# Altium PCB FlatSat Half1.PcbDoc (part 9 of 9)
Units mil, origin at the board's own origin, x right, y up, seen from the top; angles counter-clockwise.
Board outline 4682 x 10392 mil, 4 copper layers (Top Layer, STR GND 1, STR GND 2, Bottom Layer), stack 33.434 mil thick; 231 components, 255 nets, 990 pads, 1106 vias.
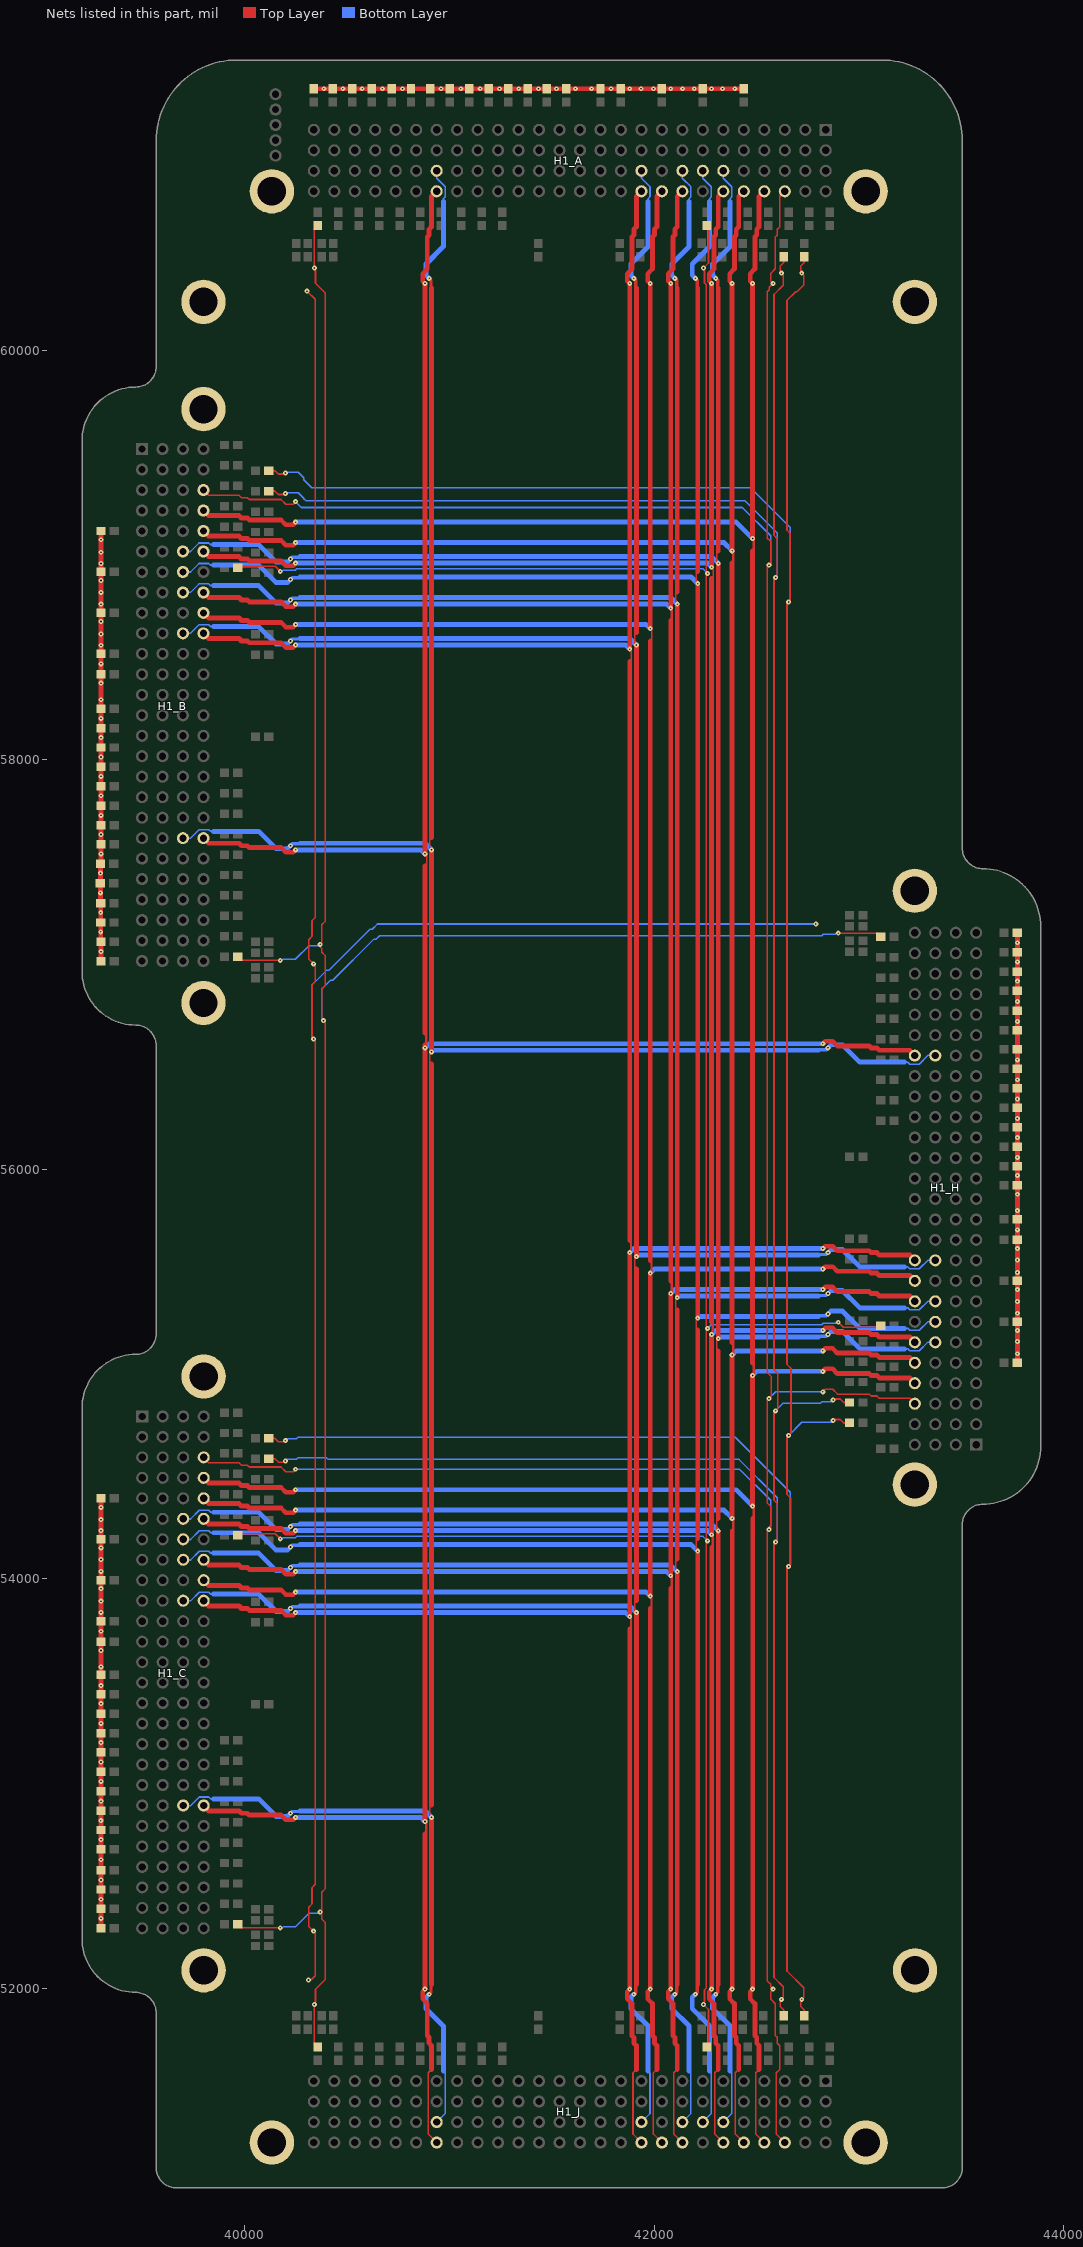
[diagram p11: the nets of this part, all layers, seen from the top]

## Via types
v1: diameter 24, hole 8, Top Layer to Bottom Layer, 1106 vias

## Nets (pads, with @x,y where several pads share a name; then routed paths per layer and width w, separated by ;. In a path a pad name is that pad's centre, name@x,y a point inside that pad or via, vN(x,y) a via of type N, cw(c..) or ccw(c..) an arc to the next point about the centre after c; other vN are vias at no path point) (continued)
RESERVED_8: H1_A.58 H1_B.58 H1_C.58 H1_H.58 H1_J.58 | length 16466.2
  Top Layer w8: H1_C.58@39798,54592 39823,54567 39972,54567 39984,54555 40012.6,54555 40021.6,54546 40177,54546 40200,54523 40236.25,54523 v1@40248.13,54534.87 ; H1_B.58@39798,59317 39823,59292 39972,59292 39984,59280 40012.6,59280 40021.6,59271 40177,59271 40200,59248 40236.25,59248 v1@40248.13,59259.87 ; v1(42560,58950) 42552,58950 42552,55007.2 42571.25,54987.94 42571.25,54891.25 v1(42560,54880) 42552,54872 42552,54370 42569,54353 42569,54249 v1(42560,54240) 42552,54232 42552,52035.63 42568,52019.63 42568,52008 v1@42579.87,51996.13 ; v1@42568,58950 42568,59066.25 42552,59082.25 42552,60285.37 42561,60294.37 42561,60307 v1@42579.87,60325.87 ; v1(42580,51996) v1@42579.87,51996.13 ; v1(42580,60326) v1@42579.87,60325.87 ; H1_J.58@42637,51247 42595.47,51288.53 42595.47,51587.47 42612,51604 42612,51720 42600,51732 42600,51760.6 42591,51769.6 42591,51925 42568,51948 42568,51984.25 v1@42579.87,51996.13 ; H1_A.58@42637,60776 42612,60751 42612,60602 42600,60590 42600,60561.4 42591,60552.4 42591,60397 42568,60374 42568,60337.75 v1@42579.87,60325.87 ; v1@42822.87,54913.13 42834.75,54925 42871,54925 42894,54902 43049.4,54902 43058.4,54893 43087,54893 43099,54881 43248,54881 H1_H.58@43273,54856
  Bottom Layer w8: v1(40248,54535) 42415.88,54535 42568,54382.88 42568,54260.06 42560,54252.06 v1@42560,54241 ; v1(40248,59260) 40276,59232 42429.82,59232 42568,59093.82 v1@42568,58950 ; v1(42560,54880) 42593,54913 v1(42823,54913)
SEP_SW1: H1_A.91 H1_B.91 H1_C.91 H1_H.91 H1_J.91 | length 14791.3
  Top Layer w8: v1(40912,52835) 40904,52843 40904,52887 40912,52895 ; 40912,56513 40904,56521 40904,56565 v1(40912,56573) ; v1(40912,57560) 40904,57568 40904,57612 40912,57620
  Top Layer w16: v1(40900,51971) 40909,51980 40909,52010 40912,52013 40912,52018 ; v1(40900,60351) 40909,60342 40909,60312 40912,60309 40912,60304
  Top Layer w24: 40912,52019 v1(40912,52835) ; 40912,52895 40912,56513 ; v1(40912,56573) v1(40912,57560) ; 40912,57620 40912,60304
  Bottom Layer w8: H1_C.91@39698,52892 39735,52892 39777.53,52934.53 39823.47,52934.53 39833,52925 39848,52925 ; H1_B.91@39698,57617 39735,57617 39776.53,57658.53 39824.47,57658.53 39833,57650 39848,57650 ; H1_J.91@40937,51347 40978.53,51388.53 40978.53,51587.47 40970,51596 ; H1_A.91@40937,60876 40937,60839 40978.53,60797.47 40978.53,60749.53 40970,60741 40970,60726 ; 43223,56523 43238,56523 43247.53,56513.47 43293.47,56513.47 43336,56556 H1_H.91@43373,56556
  Bottom Layer w16: v1(40223,52855) 40232,52864 40262,52864 ; v1(40223,57580) 40232,57589 40262,57589 ; 40265,52867 40270,52867 ; 40265,57592 40270,57592 ; 42801,56581 42806,56581 ; 42809,56584 42839,56584 v1(42848,56593)
  Bottom Layer w22: 40208,52840 v1(40223,52855) ; 40208,57565 v1(40223,57580) ; 40885,51956 v1(40900,51971) ; 40885,60366 v1(40900,60351) ; v1(42848,56593) 42863,56608
  Bottom Layer w24: 39848,52925 40068,52925 40153,52840 40208,52840 ; 39848,57650 40068,57650 40153,57565 40208,57565 ; 40270,52867 40880,52867 v1(40912,52835) ; 40270,57592 40880,57592 v1(40912,57560) ; 40885,51956 40885,51901 40970,51816 40970,51596 ; 40885,60366 40885,60421 40970,60506 40970,60726 ; v1(40912,56573) 40920,56581 42801,56581 ; 42863,56608 42918,56608 43003,56523 43223,56523
SEP_SW2: H1_A.92 H1_B.92 H1_C.92 H1_H.92 H1_J.92 | length 14309.2
  Top Layer w8: 40880,57480 40888,57488 40888,57532 v1(40880,57540) ; 40912,51604 40895.47,51587.47 40895.47,51288.53 H1_J.92@40937,51247
  Top Layer w12: 40880,52755 40886,52761 40886,52809 v1(40880,52815) ; 40880,56606 40886,56612 40886,56659 40880,56665
  Top Layer w22: 40177,52846 40200,52823 40236.25,52823 v1@40248.13,52834.87 ; 40177,57571 40200,57548 40236.25,57548 v1@40248.13,57559.87 ; v1@40879.87,51996.13 40868,51984.25 40868,51948 40891,51925 ; v1@40879.87,60325.87 40868,60337.75 40868,60374 40891,60397 ; v1@42822.87,56613.13 42834.75,56625 42871,56625 42894,56602
  Top Layer w24: H1_C.92@39798,52892 39823,52867 39972,52867 39984,52855 40012.6,52855 40021.6,52846 40177,52846 ; H1_B.92@39798,57617 39823,57592 39972,57592 39984,57580 40012.6,57580 40021.6,57571 40177,57571 ; v1@40879.87,51996.13 40880,51996.25 40880,52755 ; v1(40880,52815) v1(40880,56593) 40880,56606 ; 40880,56665 40880,57480 ; v1(40880,57540) v1(40880,60326) ; 40891,51925 40891,51769.6 40900,51760.6 40900,51732 40912,51720 40912,51604 ; 40891,60397 40891,60552.4 40900,60561.4 40900,60590 40912,60602 40912,60751 H1_A.92@40937,60776 ; 42894,56602 43049.4,56602 43058.4,56593 43087,56593 43099,56581 43248,56581 H1_H.92@43273,56556
  Bottom Layer w24: v1(40248,52835) 40860,52835 v1(40880,52815) ; v1(40248,57560) 40860,57560 v1(40880,57540) ; v1(40880,56593) 40900,56613 v1(42823,56613)
  other v1: 40880,51996
SPI_CLK: R51_A.1 R51_B.1 R51_C.1 R51_E.1 R51_H.1 | length 12851.1
  Top Layer w8: R51_C.1@39965.48,52312 39982.48,52295 v1(40173,52295) ; R51_B.1@39965.48,57037 39982.48,57020 v1(40173,57020) ; R51_E.1@40357,51713.48 40340,51730.48 v1(40340,51921) 40340,51930 40345,51935 40345,51995 40392,52042 40392,52323.06 40376,52339.06 v1@40376,52373 ; R51_A.1@40357,60608.52 40340,60591.52 v1(40340,60401) 40340,60392 40345,60387 40345,60327 40392,60280 40392,57209.82 40376,57193.82 v1@40376,57103 ; v1(40368,52373) v1@40376,52373 ; v1(40368,57098) 40368,57085.94 40376,57077.94 40376,57060 40392,57044 40392,56896.88 40376,56880.88 v1@40376,56734 ; v1(40384,56726) 40392,56726 40392,52485.54 40376,52469.54 v1@40376,52373 ; v1(42898,57153) 43088.52,57153 R51_H.1@43105.52,57136
  Bottom Layer w8: v1(40173,52295) 40182,52295 40187,52300 40246.94,52300 40313.94,52367 v1@40360,52367 ; v1(40173,57020) 40182,57020 40187,57025 40246.94,57025 40313.94,57092 v1@40360,57092 ; v1@40376,56733 40376,56880.12 40418.88,56923 40429.88,56923 40630.88,57124 40641.82,57124 40658.82,57141 42818.22,57141 42825.22,57148 42884,57148 42889,57153 v1(42898,57153)
STR_GND_A: H1_A.0 H1_B.0 H1_C.0 H1_H.0 H1_J.0 J40_A.2 J40_B.2 J40_C.2 J40_H.2 J42_A.2 J42_B.2 J42_C.2 J42_H.2 J44_A.2 J44_B.2 J44_C.2 J44_H.2 J45_A.2 J45_B.2 J45_C.2 J45_H.2 J46_A.2 J46_B.2 J46_C.2 J46_H.2 J48_A.2 J48_B.2 J48_C.2 J48_H.2 J50_A.2 J50_B.2 J50_C.2 J50_H.2 J52_A.2 J52_B.2 J52_C.2 J52_H.2 J61_A.1 J61_B.1 J61_C.1 J61_H.1 J66_A.2 J66_B.2 J66_C.2 J66_H.2 J69_A.1 J69_B.1 J69_C.1 J69_H.1 J71_A.1 J71_B.1 J71_C.1 J71_H.1 J74_A.2 J74_B.2 J74_C.2 J74_H.2 J81_A.1 J81_B.1 J81_C.1 J81_H.1 J82_A.2 J82_B.2 J82_C.2 J82_H.2 J83_A.1 J83_B.1 J83_C.1 J83_H.1 J84_A.2 J84_B.2 J84_C.2 J84_H.2 J99_A.1 J99_B.1 J99_C.1 J99_H.1 J100_A.2 J100_B.2 J100_C.2 J100_H.2 pad.7 | length 19624
  Top Layer w8: v1(40304,60288) 40344,60248 40344,57229.71 40328,57213.71 40328,57137.2 40312,57121.2 40312,57027 v1(40336,57003) 40344,56995 40344,56916.76 40328,56900.76 40328,56636 v1(40336,56636) 40344,56636 40344,52507.63 40328,52491.63 40328,52412.2 40312,52396.2 40312,52302 40344,52270 40344,52061.88 40324.06,52041.94 40311.94,52041.94 v1(40311,52041)
  Top Layer w24: J48_C.2@39295.52,52578 J48_C.2@39297.52,52576 ; J52_C.2@39297.52,52293 v1(39297.52,52342) J50_C.2@39297.52,52388 v1(39297.52,52435) J100_C.2@39297.52,52482.66 v1(39297.52,52529) J48_C.2@39297.52,52576 ; J61_C.1@39297.52,54393 v1(39297.52,54349) v1(39297.52,54289) v1(39297.52,54235) J66_C.2@39297.52,54193 v1(39297.52,54151) v1(39297.52,54094) v1(39297.52,54036) J69_C.1@39297.52,53993 v1(39297.52,53952) v1(39297.52,53891) v1(39297.52,53836) J71_C.1@39297.52,53793 v1(39297.52,53744) J74_C.2@39297.52,53693 v1(39297.52,53650) v1(39297.52,53570) J81_C.1@39297.52,53530.56 v1(39297.52,53478) J82_C.2@39297.52,53435.9 v1(39297.52,53390) J83_C.1@39297.52,53341.24 v1(39297.52,53293.92) J84_C.2@39297.52,53246.59 v1(39297.52,53200) J40_C.2@39297.52,53151.93 v1(39297.52,53105) J42_C.2@39297.52,53057.28 v1(39297.52,53011) J44_C.2@39297.52,52962.62 v1(39297.52,52914) J45_C.2@39297.52,52867.97 J46_C.2@39297.52,52773.31 v1(39297.52,52726) J99_C.1@39297.52,52678.66 v1(39297.52,52628) J48_C.2@39297.52,52577.31 J48_C.2@39297.52,52576 ; J52_B.2@39297.52,57015.69 v1(39297.52,57063) J50_B.2@39297.52,57110.34 39296.52,57111.34 v1(39296.52,57159) J100_B.2@39296.52,57205 v1(39296.52,57253) J48_B.2@39296.52,57300 39294.52,57302 v1(39294.52,57349.5) J99_B.1@39294.52,57397 39295.52,57398 v1(39295.52,57446) J46_B.2@39295.52,57491.66 39297.52,57493.66 v1(39297.52,57540) J45_B.2@39297.52,57586.31 v1(39297.52,57635) J44_B.2@39297.52,57680.97 v1(39297.52,57728.29) J42_B.2@39297.52,57775.62 v1(39297.52,57824) J40_B.2@39297.52,57870.28 v1(39297.52,57919) J84_B.2@39297.52,57964.93 v1(39297.52,58013) J83_B.1@39297.52,58059.59 v1(39297.52,58108) J82_B.2@39297.52,58154.24 v1(39297.52,58202) J81_B.1@39297.52,58248.9 v1(39297.52,58293) v1(39297.52,58374) J74_B.2@39297.52,58417 v1(39297.52,58468) J71_B.1@39297.52,58517 v1(39297.52,58559) v1(39297.52,58614) v1(39297.52,58675) J69_B.1@39297.52,58717 v1(39297.52,58760) v1(39297.52,58817) v1(39297.52,58875) J66_B.2@39297.52,58917 v1(39297.52,58958) v1(39297.52,59013) v1(39297.52,59074) J61_B.1@39297.52,59117 ; J52_A.2@40337,61276.48 v1(40386,61276.48) J50_A.2@40430.34,61276.48 v1(40479,61276.48) J100_A.2@40525,61276.48 v1(40573,61276.48) J48_A.2@40620,61276.48 ; J48_A.2@40622,61274.48 J48_A.2@40620,61276.48 ; J61_A.1@42437,61276.48 v1(42393,61276.48) v1(42333,61276.48) v1(42279,61276.48) J66_A.2@42237,61276.48 v1(42195,61276.48) v1(42138,61276.48) v1(42080,61276.48) J69_A.1@42037,61276.48 v1(41996,61276.48) v1(41935,61276.48) v1(41880,61276.48) J71_A.1@41837,61276.48 v1(41788,61276.48) J74_A.2@41737,61276.48 v1(41694,61276.48) v1(41614,61276.48) J81_A.1@41569.97,61276.48 v1(41522,61276.48) J82_A.2@41475.31,61276.48 v1(41434,61276.48) J83_A.1@41380.66,61276.48 v1(41337.92,61276.48) J84_A.2@41286,61276.48 v1(41244,61276.48) J40_A.2@41190.31,61276.48 v1(41149,61276.48) J42_A.2@41095.66,61276.48 v1(41055,61276.48) J44_A.2@41001,61276.48 v1(40958,61276.48) J45_A.2@40906.31,61276.48 J46_A.2@40811.66,61276.48 v1(40770,61276.48) J99_A.1@40717,61276.48 v1(40672,61276.48) J48_A.2@40620,61276.48 ; J48_H.2@43770.48,56870 J48_H.2@43772.48,56872 ; J61_H.1@43772.48,55055 v1(43772.48,55099) v1(43772.48,55159) v1(43772.48,55213) J66_H.2@43772.48,55255 v1(43772.48,55297) v1(43772.48,55354) v1(43772.48,55412) J69_H.1@43772.48,55455 v1(43772.48,55496) v1(43772.48,55557) v1(43772.48,55612) J71_H.1@43772.48,55655 v1(43772.48,55704) J74_H.2@43772.48,55755 v1(43772.48,55798) v1(43772.48,55878) J81_H.1@43772.48,55921.03 v1(43772.48,55970) J82_H.2@43772.48,56015.69 v1(43772.48,56058) J83_H.1@43772.48,56110.34 v1(43772.48,56154.08) J84_H.2@43772.48,56205 v1(43772.48,56248) J40_H.2@43772.48,56301.07 v1(43772.48,56343) J42_H.2@43772.48,56395.72 v1(43772.48,56437) J44_H.2@43772.48,56490.38 v1(43772.48,56534) J45_H.2@43772.48,56585.03 J46_H.2@43772.48,56679.69 v1(43772.48,56722) J99_H.1@43772.48,56774.34 v1(43772.48,56820) J48_H.2@43772.48,56870.69 J48_H.2@43772.48,56872 ; J52_H.2@43772.48,57155 v1(43772.48,57106) J50_H.2@43772.48,57060 v1(43772.48,57013) J100_H.2@43772.48,56965.34 v1(43772.48,56919) J48_H.2@43772.48,56872
  Bottom Layer w8: v1(40336,56636) 40328,56644 40328,56900 40399,56971 40410,56971 40611,57172 40621.94,57172 40647.94,57198 v1(42789,57198)
  other v1: 40336,52279 39297,52819
SW1_12V_SBAND: H1_A.60 H1_B.60 H1_C.60 H1_H.60 H1_J.60 | length 15962.9
  Top Layer w8: 42512,51604 42495.47,51587.47 42495.47,51288.53 H1_J.60@42537,51247
  Top Layer w12: v1@42476,54993 42486,55003 42486,55051 42480,55057 ; 42480,54295 42486,54301 42486,54349 v1(42480,54355) ; 42480,59020 42486,59026 42486,59074 v1(42480,59080)
  Top Layer w22: 40177,54446 40200,54423 40236.25,54423 v1@40248.13,54434.87 ; 40177,59171 40200,59148 40236.25,59148 v1@40248.13,59159.87 ; v1@42479.87,51996.13 42468,51984.25 42468,51948 42491,51925 ; v1@42479.87,60325.87 42468,60337.75 42468,60374 42491,60397 ; v1(42480,51996) 42480,54295 ; v1@42822.87,55013.13 42834.75,55025 42871,55025 42894,55002
  Top Layer w24: H1_C.60@39798,54492 39823,54467 39972,54467 39984,54455 40012.6,54455 40021.6,54446 40177,54446 ; H1_B.60@39798,59217 39823,59192 39972,59192 39984,59180 40012.6,59180 40021.6,59171 40177,59171 ; v1(42480,54355) v1(42480,54993) ; 42480,55053 42480,55057 42480,59020 ; v1(42480,59080) v1(42480,60326) ; 42491,51925 42491,51769.6 42500,51760.6 42500,51732 42512,51720 42512,51604 ; 42491,60397 42491,60552.4 42500,60561.4 42500,60590 42512,60602 42512,60751 H1_A.60@42537,60776 ; 42894,55002 43049.4,55002 43058.4,54993 43087,54993 43099,54981 43248,54981 H1_H.60@43273,54956
  Bottom Layer w22: v1(42480,54993) 42500,55013 v1(42823,55013)
  Bottom Layer w24: v1(40248,54435) 42400,54435 v1(42480,54355) ; v1(40248,59160) 42400,59160 v1(42480,59080)
SW2_12V: H1_A.62 H1_B.62 H1_C.62 H1_H.62 H1_J.62 | length 15824.2
  Top Layer w8: 42412,51604 42395.47,51587.47 42395.47,51288.53 H1_J.62@42437,51247
  Top Layer w12: 42380,54235 42386,54241 42386,54289 v1(42380,54295) ; v1(42380,55093) 42386,55099 42386,55147 42380,55153 ; 42380,58960 42386,58966 42386,59014 v1(42380,59020)
  Top Layer w22: 40177,54346 40200,54323 40236.25,54323 v1@40248.13,54334.87 ; 40177,59071 40200,59048 40236.25,59048 v1@40248.13,59059.87 ; v1@42379.87,51996.13 42368,51984.25 42368,51948 42391,51925 ; v1@42379.87,60325.87 42368,60337.75 42368,60374 42391,60397 ; v1(42380,51996) 42380,54235 ; v1@42822.87,55113.13 42834.75,55125 42871,55125 42894,55102
  Top Layer w24: H1_C.62@39798,54392 39823,54367 39972,54367 39984,54355 40012.6,54355 40021.6,54346 40177,54346 ; H1_B.62@39798,59117 39823,59092 39972,59092 39984,59080 40012.6,59080 40021.6,59071 40177,59071 ; v1(42380,54295) v1(42380,55093) ; 42380,55153 42380,58960 ; v1(42380,59020) v1(42380,60326) ; 42391,51925 42391,51769.6 42400,51760.6 42400,51732 42412,51720 42412,51604 ; 42391,60397 42391,60552.4 42400,60561.4 42400,60590 42412,60602 42412,60751 H1_A.62@42437,60776 ; 42894,55102 43049.4,55102 43058.4,55093 43087,55093 43099,55081 43248,55081 H1_H.62@43273,55056
  Bottom Layer w24: v1(40248,54335) 42340,54335 v1(42380,54295) ; v1(40248,59060) 42340,59060 v1(42380,59020) ; v1(42380,55093) 42400,55113 v1(42823,55113)
SW3_BAT_2SMARD: H1_A.63 H1_B.63 H1_C.63 H1_H.63 H1_J.63 | length 16175.8
  Top Layer w8: 42304,58968 42304,59011 42312,59019 ; v1(42312,54234) 42304,54242 42304,54287 42312,54295 ; 42312,55113 42304,55121 42304,55165 v1(42312,55173)
  Top Layer w16: v1(42300,51971) 42309,51980 42309,52010 42312,52013 42312,52017.41 ; v1(42300,60351) 42309,60342 42309,60312 42312,60309 42312,60304
  Top Layer w24: 42312,52017.41 v1(42312,54234) ; 42312,54295 42312,55113 ; v1(42312,55173) v1(42312,58959) ; 42312,59019 42312,60304
  Bottom Layer w8: H1_C.63@39698,54292 39735,54292 39777.53,54334.53 39823.47,54334.53 39833,54325 39848,54325 ; H1_B.63@39698,59017 39735,59017 39776.53,59058.53 39824.47,59058.53 39833,59050 39848,59050 ; H1_J.63@42337,51347 42378.53,51388.53 42378.53,51587.47 42370,51596 ; H1_A.63@42337,60876 42337,60839 42378.53,60797.47 42378.53,60749.53 42370,60741 42370,60726 ; 43223,55123 43238,55123 43247.53,55113.47 43293.47,55113.47 43336,55156 H1_H.63@43373,55156
  Bottom Layer w16: v1(40223,54255) 40232,54264 40262,54264 ; v1(40223,58980) 40232,58989 40262,58989 ; 40265,58992 40270,58992 ; 42801,55181 42806,55181 ; 42809,55184 42839,55184 v1(42848,55193)
  Bottom Layer w22: 40208,54240 v1(40223,54255) ; 40208,58965 v1(40223,58980) ; 42285,51956 v1(42300,51971) ; 42285,60366 v1(42300,60351) ; v1(42848,55193) 42863,55208
  Bottom Layer w24: 39848,54325 40068,54325 40153,54240 40208,54240 ; 39848,59050 40068,59050 40153,58965 40208,58965 ; 40270,54267 42279,54267 v1(42312,54234) ; 40270,58992 42279,58992 v1(42312,58959) ; 42285,51956 42285,51901 42370,51816 42370,51596 ; 42285,60366 42285,60421 42370,60506 42370,60726 ; v1(42312,55173) 42320,55181 42801,55181 ; 42863,55208 42918,55208 43003,55123 43223,55123
SW4_BAT_2SMARD: H1_A.64 H1_B.64 H1_C.64 H1_H.64 H1_J.64 | length 15681.6
  Top Layer w8: 42280,58884.75 42288,58892.75 v1@42288,58932 ; 42312,51604 42295.47,51587.47 42295.47,51288.53 H1_J.64@42337,51247
  Top Layer w12: v1@42279,55193 42286,55200 42286,55247 42280,55253 ; 42280,54155 42286,54161 42286,54209 v1(42280,54215)
  Top Layer w22: 40177,54246 40200,54223 40236.25,54223 v1@40248.13,54234.87 ; 40177,58971 40200,58948 40236.25,58948 v1@40248.13,58959.87 ; v1@42279.87,51996.13 42268,51984.25 42268,51948 42291,51925 ; v1@42279.87,60325.87 42268,60337.75 42268,60374 42291,60397 ; v1(42280,51996) 42280,54155 ; 42834.75,55225 42871,55225 42894,55202
  Top Layer w24: H1_C.64@39798,54292 39823,54267 39972,54267 39984,54255 40012.6,54255 40021.6,54246 40177,54246 ; H1_B.64@39798,59017 39823,58992 39972,58992 39984,58980 40012.6,58980 40021.6,58971 40177,58971 ; v1(42280,54215) v1(42280,55193) ; 42280,55253 42280,58884.75 ; v1(42280,58940) v1(42280,60326) ; 42291,51925 42291,51769.6 42300,51760.6 42300,51732 42312,51720 42312,51604 ; 42291,60397 42291,60552.4 42300,60561.4 42300,60590 42312,60602 42312,60751 H1_A.64@42337,60776 ; 42894,55202 43049.4,55202 43058.4,55193 43087,55193 43099,55181 43248,55181 H1_H.64@43273,55156
  Bottom Layer w24: v1(40248,54235) 42260,54235 v1(42280,54215) ; v1(40248,58960) 42260,58960 v1(42280,58940) ; v1(42280,55193) 42300,55213 v1(42823,55213)
SW5_5V_PL: H1_A.65 H1_B.65 H1_C.65 H1_H.65 H1_J.65 | length 16092.3
  Top Layer w8: v1(42212,54135) 42204,54143 42204,54188 42212,54196 ; 42212,55214 42204,55222 42204,55265 v1(42212,55273) ; v1(42212,58860) 42204,58868 42204,58912 42212,58920
  Top Layer w16: v1(42200,51971) 42209,51980 42209,52010 42212,52013 42212,52018 ; v1(42200,60351) 42209,60342 42209,60312 42212,60309 42212,60304
  Top Layer w24: 42212,52018 v1(42212,54135) ; 42212,54196 42212,55214 ; v1(42212,55273) v1(42212,58860) ; 42212,58920 42212,60304
  Bottom Layer w8: H1_C.65@39698,54192 39735,54192 39777.53,54234.53 39823.47,54234.53 39833,54225 39848,54225 ; H1_B.65@39698,58917 39735,58917 39776.53,58958.53 39824.47,58958.53 39833,58950 39848,58950 ; H1_J.65@42237,51347 42278.53,51388.53 42278.53,51587.47 42270,51596 ; H1_A.65@42237,60876 42237,60839 42278.53,60797.47 42278.53,60749.53 42270,60741 42270,60726 ; 43223,55223 43238,55223 43247.53,55213.47 43293.47,55213.47 43336,55256 H1_H.65@43373,55256
  Bottom Layer w16: v1(40223,54155) 40232,54164 40262,54164 ; v1(40223,58880) 40232,58889 40262,58889 ; 40265,54167 40270,54167 ; 40265,58892 40270,58892 ; 42801,55281 42806,55281 ; 42809,55284 42839,55284 v1(42848,55293)
  Bottom Layer w22: 40208,54140 v1(40223,54155) ; 40208,58865 v1(40223,58880) ; 42185,51956 v1(42200,51971) ; 42185,60366 v1(42200,60351) ; v1(42848,55293) 42863,55308
  Bottom Layer w24: 39848,54225 40068,54225 40153,54140 40208,54140 ; 39848,58950 40068,58950 40153,58865 40208,58865 ; 40270,54167 42180,54167 v1(42212,54135) ; 40270,58892 42180,58892 v1(42212,58860) ; 42185,51956 42185,51901 42270,51816 42270,51596 ; 42185,60366 42185,60421 42270,60506 42270,60726 ; v1(42212,55273) 42220,55281 42801,55281 ; 42863,55308 42918,55308 43003,55223 43223,55223
SW6_5V#1_ADCS: H1_A.67 H1_B.67 H1_C.67 H1_H.67 H1_J.67 | length 15992.3
  Top Layer w8: v1(42112,54035) 42104,54043 42104,54088 42112,54096 ; 42112,55314 42104,55322 42104,55365 v1(42112,55373) ; v1(42112,58760) 42104,58768 42104,58812 42112,58820
  Top Layer w16: v1(42100,51971) 42109,51980 42109,52010 42112,52013 42112,52018 ; v1(42100,60351) 42109,60342 42109,60312 42112,60309 42112,60304
  Top Layer w24: 42112,52018 v1(42112,54035) ; 42112,54096 42112,55314 ; v1(42112,55373) v1(42112,58760) ; 42112,58820 42112,60304
  Bottom Layer w8: H1_C.67@39698,54092 39735,54092 39777.53,54134.53 39823.47,54134.53 39833,54125 39848,54125 ; H1_B.67@39698,58817 39735,58817 39776.53,58858.53 39824.47,58858.53 39833,58850 39848,58850 ; H1_J.67@42137,51347 42178.53,51388.53 42178.53,51587.47 42170,51596 ; H1_A.67@42137,60876 42137,60839 42178.53,60797.47 42178.53,60749.53 42170,60741 42170,60726 ; 43223,55323 43238,55323 43247.53,55313.47 43293.47,55313.47 43336,55356 H1_H.67@43373,55356
  Bottom Layer w16: v1(40223,54055) 40232,54064 40262,54064 ; v1(40223,58780) 40232,58789 40262,58789 ; 40265,54067 40270,54067 ; 40265,58792 40270,58792 ; 42801,55381 42806,55381 ; 42809,55384 42839,55384 v1(42848,55393)
  Bottom Layer w22: 40208,54040 v1(40223,54055) ; 40208,58765 v1(40223,58780) ; 42085,51956 v1(42100,51971) ; 42085,60366 v1(42100,60351) ; v1(42848,55393) 42863,55408
  Bottom Layer w24: 39848,54125 40068,54125 40153,54040 40208,54040 ; 39848,58850 40068,58850 40153,58765 40208,58765 ; 40270,54067 42080,54067 v1(42112,54035) ; 40270,58792 42080,58792 v1(42112,58760) ; 42085,51956 42085,51901 42170,51816 42170,51596 ; 42085,60366 42085,60421 42170,60506 42170,60726 ; v1(42112,55373) 42120,55381 42801,55381 ; 42863,55408 42918,55408 43003,55323 43223,55323
SW7_5V#2_ADCS: H1_A.68 H1_B.68 H1_C.68 H1_H.68 H1_J.68 | length 15507.6
  Top Layer w8: 42112,51604 42095.47,51587.47 42095.47,51288.53 H1_J.68@42137,51247
  Top Layer w12: 42080,53955 42086,53961 42086,54009 v1(42080,54015) ; v1(42080,55393) 42086,55399 42086,55447 42080,55453 ; 42080,58680 42086,58686 42086,58734 v1(42080,58740)
  Top Layer w22: 40177,54046 40200,54023 40236.25,54023 v1@40248.13,54034.87 ; 40177,58771 40200,58748 40236.25,58748 v1@40248.13,58759.87 ; v1@42079.87,51996.13 42068,51984.25 42068,51948 42091,51925 ; v1@42079.87,60325.87 42068,60337.75 42068,60374 42091,60397 ; v1(42080,51996) 42080,53955 ; v1@42822.87,55413.13 42834.75,55425 42871,55425 42894,55402
  Top Layer w24: H1_C.68@39798,54092 39823,54067 39972,54067 39984,54055 40012.6,54055 40021.6,54046 40177,54046 ; H1_B.68@39798,58817 39823,58792 39972,58792 39984,58780 40012.6,58780 40021.6,58771 40177,58771 ; v1(42080,54015) v1(42080,55393) ; 42080,55453 42080,58680 ; v1(42080,58740) v1(42080,60326) ; 42091,51925 42091,51769.6 42100,51760.6 42100,51732 42112,51720 42112,51604 ; 42091,60397 42091,60552.4 42100,60561.4 42100,60590 42112,60602 42112,60751 H1_A.68@42137,60776 ; 42894,55402 43049.4,55402 43058.4,55393 43087,55393 43099,55381 43248,55381 H1_H.68@43273,55356
  Bottom Layer w24: v1(40248,54035) 42060,54035 v1(42080,54015) ; v1(40248,58760) 42060,58760 v1(42080,58740) ; v1(42080,55393) 42100,55413 v1(42823,55413)
SW8_3V3_THM: H1_A.70 H1_B.70 H1_C.70 H1_H.70 H1_J.70 | length 15397.9
  Top Layer w8: 41980,58580 41988,58588 v1@41988,58632 ; 42012,51604 41995.47,51587.47 41995.47,51288.53 H1_J.70@42037,51247
  Top Layer w12: 41980,53855 41986,53861 41986,53909 v1(41980,53915) ; v1(41980,55493) 41986,55499 41986,55547 41980,55553
  Top Layer w22: 40177,53946 40200,53923 40236.25,53923 v1@40248.13,53934.87 ; 40177,58671 40200,58648 40236.25,58648 v1@40248.13,58659.87 ; v1@41979.87,51996.13 41968,51984.25 41968,51948 41991,51925 ; v1@41979.87,60325.87 41968,60337.75 41968,60374 41991,60397 ; v1(41980,51996) 41980,53855 ; v1@42822.87,55513.13 42834.75,55525 42871,55525 42894,55502
  Top Layer w24: H1_C.70@39798,53992 39823,53967 39972,53967 39984,53955 40012.6,53955 40021.6,53946 40177,53946 ; H1_B.70@39798,58717 39823,58692 39972,58692 39984,58680 40012.6,58680 40021.6,58671 40177,58671 ; v1(41980,53915) v1(41980,55493) ; 41980,55553 41980,58580 ; v1(41980,58640) v1(41980,60326) ; 41991,51925 41991,51769.6 42000,51760.6 42000,51732 42012,51720 42012,51604 ; 41991,60397 41991,60552.4 42000,60561.4 42000,60590 42012,60602 42012,60751 H1_A.70@42037,60776 ; 42894,55502 43049.4,55502 43058.4,55493 43087,55493 43099,55481 43248,55481 H1_H.70@43273,55456
  Bottom Layer w24: v1(40248,53935) 41960,53935 v1(41980,53915) ; v1(40248,58660) 41960,58660 v1(41980,58640) ; v1(41980,55493) 42000,55513 v1(42823,55513)
SW9_3V3#1_ADCS: H1_A.71 H1_B.71 H1_C.71 H1_H.71 H1_J.71 | length 15792.3
  Top Layer w8: v1(41912,53835) 41904,53843 41904,53887 41912,53895 ; 41912,55513 41904,55521 41904,55565 v1(41912,55573) ; v1(41912,58560) 41904,58568 41904,58612 41912,58620
  Top Layer w16: v1(41900,51971) 41909,51980 41909,52010 41912,52013 41912,52018 ; v1(41900,60351) 41909,60342 41909,60312 41912,60309 41912,60304
  Top Layer w24: 41912,52018 v1(41912,53835) ; 41912,53895 41912,55513 ; v1(41912,55573) v1(41912,58560) ; 41912,58620 41912,60304
  Bottom Layer w8: H1_C.71@39698,53892 39735,53892 39777.53,53934.53 39823.47,53934.53 39833,53925 39848,53925 ; H1_B.71@39698,58617 39735,58617 39776.53,58658.53 39824.47,58658.53 39833,58650 39848,58650 ; H1_J.71@41937,51347 41978.53,51388.53 41978.53,51587.47 41970,51596 ; H1_A.71@41937,60876 41937,60839 41978.53,60797.47 41978.53,60749.53 41970,60741 41970,60726 ; 43223,55523 43238,55523 43247.53,55513.47 43293.47,55513.47 43336,55556 H1_H.71@43373,55556
  Bottom Layer w16: v1(40223,53855) 40232,53864 40262,53864 ; v1(40223,58580) 40232,58589 40262,58589 ; 40265,53867 40270,53867 ; 40265,58592 40270,58592 ; 42801,55581 42806,55581 ; 42809,55584 42839,55584 v1(42848,55593)
  Bottom Layer w22: 40208,53840 v1(40223,53855) ; 40208,58565 v1(40223,58580) ; 41885,51956 v1(41900,51971) ; 41885,60366 v1(41900,60351) ; v1(42848,55593) 42863,55608
  Bottom Layer w24: 39848,53925 40068,53925 40153,53840 40208,53840 ; 39848,58650 40068,58650 40153,58565 40208,58565 ; 40270,53867 41880,53867 v1(41912,53835) ; 40270,58592 41880,58592 v1(41912,58560) ; 41885,51956 41885,51901 41970,51816 41970,51596 ; 41885,60366 41885,60421 41970,60506 41970,60726 ; v1(41912,55573) 41920,55581 42801,55581 ; 42863,55608 42918,55608 43003,55523 43223,55523
SW10_3V3#2_ADCS: H1_A.72 H1_B.72 H1_C.72 H1_H.72 H1_J.72 | length 15309.2
  Top Layer w8: 41880,58480 41888,58488 41888,58532 v1(41880,58540) ; 41912,51604 41895.47,51587.47 41895.47,51288.53 H1_J.72@41937,51247
  Top Layer w12: 41880,53755 41886,53761 41886,53809 v1(41880,53815) ; v1(41880,55593) 41886,55599 41886,55647 41880,55653
  Top Layer w22: 40177,53846 40200,53823 40236.25,53823 v1@40248.13,53834.87 ; 40177,58571 40200,58548 40236.25,58548 v1@40248.13,58559.87 ; v1@41879.87,51996.13 41868,51984.25 41868,51948 41891,51925 ; v1@41879.87,60325.87 41868,60337.75 41868,60374 41891,60397 ; v1(41880,51996) 41880,53755 ; v1@42822.87,55613.13 42834.75,55625 42871,55625 42894,55602
  Top Layer w24: H1_C.72@39798,53892 39823,53867 39972,53867 39984,53855 40012.6,53855 40021.6,53846 40177,53846 ; H1_B.72@39798,58617 39823,58592 39972,58592 39984,58580 40012.6,58580 40021.6,58571 40177,58571 ; v1(41880,53815) v1(41880,55593) ; 41880,55653 41880,58480 ; v1(41880,58540) v1(41880,60326) ; 41891,51925 41891,51769.6 41900,51760.6 41900,51732 41912,51720 41912,51604 ; 41891,60397 41891,60552.4 41900,60561.4 41900,60590 41912,60602 41912,60751 H1_A.72@41937,60776 ; 42894,55602 43049.4,55602 43058.4,55593 43087,55593 43099,55581 43248,55581 H1_H.72@43273,55556
  Bottom Layer w24: v1(40248,53835) 41860,53835 v1(41880,53815) ; v1(40248,58560) 41860,58560 v1(41880,58540) ; v1(41880,55593) 41900,55613 v1(42823,55613)
THERMAL_DQ: R13_A.1 R13_B.1 R13_C.1 R13_E.1 R13_H.1 | length 14470.4
  Top Layer w8: R13_C.1@39965.48,54212 39965.48,54219.67 40148.33,54219.67 v1(40173,54195) ; R13_B.1@39965.48,58937 39965.48,58944.67 40148.33,58944.67 v1(40173,58920) ; R13_E.1@42257,51713.48 42264.67,51713.48 42264.67,51896.33 v1(42240,51921) 42240,51930 42245,51935 42245,51993.78 42253,52001.78 42253,60320.22 42245,60328.22 42245,60387 42240,60392 v1(42240,60401) 42264.67,60425.67 42264.67,60608.52 R13_A.1@42257,60608.52 ; v1(42898,55253) 42922.67,55228.33 43105.52,55228.33 R13_H.1@43105.52,55236
  Bottom Layer w8: v1(40173,54195) 40182,54195 40187,54200 40245.78,54200 40252.78,54207 42238,54207 v1(42260,54185) ; v1(40173,58920) 40182,58920 40187,58925 40245.78,58925 40252.78,58932 42238,58932 v1(42260,58910) ; v1(42260,55223) 42278,55241 42818.22,55241 42825.22,55248 42884,55248 42889,55253 v1(42898,55253)
UART_CDH_RX: R4_A.2 R4_B.2 R4_C.2 R4_E.2 R4_H.2 | length 15146.8
  Top Layer w8: R4_C.2@40117.15,54687 R4_C.2@40117.48,54687 40146,54687 40163,54670 40193,54670 v1(40198,54675) ; R4_B.2@40117.15,59412 R4_B.2@40117.48,59412 40146,59412 40163,59395 40193,59395 v1(40198,59400) ; v1(42656,58770) 42648,58770 42648,55046.96 42667.25,55027.71 42667.25,54711.25 v1(42656,54700) 42648,54692 42648,54412 42665,54395 42665,54069 v1(42656,54060) 42648,54052 42648,52084.57 42729,52003.57 42729,51955 v1(42720,51946) 42715,51941 42715,51911 42732,51894 R4_E.2@42732,51865.48 ; v1@42664,58770 42664,59106.02 42648,59122.02 42648,60244.12 42689.88,60286 42696.57,60286 42729,60318.43 42729,60367 v1(42720,60376) 42715,60381 42715,60411 42732,60428 R4_A.2@42732,60456.52 R4_A.2@42732,60456.85 ; v1(42873,54773) 42878,54778 42908,54778 42925,54761 R4_H.2@42953.52,54761 R4_H.2@42953.85,54761
  Bottom Layer w8: v1(40198,54675) 40207,54684 40252.41,54684 40259.41,54691 42395.65,54691 42664,54422.65 42664,54071 v1@42655,54062 ; v1(40198,59400) 40202,59404 40260.57,59404 40288,59376.57 40288,59367.08 40327.08,59328 42469.59,59328 42664,59133.59 v1@42664,58770 ; v1(42656,54700) 42720,54764 42864,54764 v1(42873,54773)
UART_CDH_TX: R6_A.2 R6_B.2 R6_C.2 R6_E.2 R6_H.2 | length 14676.4
  Top Layer w8: R6_B.2@40117.15,59312 R6_B.2@40117.48,59312 40146,59312 40163,59295 40193,59295 v1(40198,59300) ; R6_C.2@40117.48,54587 40146,54587 40163,54570 40193,54570 v1(40198,54575) ; v1(42592,58890) 42584,58890 42584,55020.45 42603.25,55001.2 42603.25,54831.25 v1(42592,54820) 42584,54812 42584,54383.75 42601,54366.75 42601,54189 v1(42592,54180) 42584,54172 42584,52053 42629,52008 42629,51955 v1(42620,51946) 42615,51941 42615,51911 42632,51894 R6_E.2@42632,51865.48 ; v1@42600,58890 42600,59079.51 42584,59095.51 42584,60272.12 42629,60317.12 42629,60367 v1(42620,60376) 42615,60381 42615,60411 42632,60428 R6_A.2@42632,60456.52 R6_A.2@42632,60456.85 ; v1(42873,54873) 42878,54878 42908,54878 42925,54861 R6_H.2@42953.52,54861 R6_H.2@42953.85,54861
  Bottom Layer w8: v1(40198,54575) 40207,54584 40252.41,54584 40259.41,54591 40398,54591 40406,54583 42413.14,54583 42600,54396.14 v1@42600,54184 ; v1(40198,59300) 40202,59304 40260.57,59304 40288,59276.57 40288,59274.63 40298.63,59264 42443.08,59264 42600,59107.08 42600,58891 v1@42599,58890 ; v1@42592,54821 42628,54857 42811.59,54857 42818.59,54864 42864,54864 v1(42873,54873)

## Polygon pours and split planes (outlines as drawn)
STR_GND_A on STR GND 1 "STR GND 1 Plane " (solid, remove dead copper, pour order 2): 39205,61417.32 39205,39370.08 43887,39370.08 43887,61417
STR_GND_A on STR GND 2 "STR GND 2 Plane " (solid, remove dead copper, pour order 4): 39205,61417 43887,61417 43887,39370 39205,39370 39205,61417

## Silkscreen, mask and mechanical layers (free items; w line width, h text height)
Top Overlay:
  drawing of 46 lines, arcs and shapes, not listed
  text "SPI End / Termination" at 39900,61325 h60 r270
  text "51" at 40202,60664 h50 r270
  text "52" at 40155,60584 h50 r270
  text "103" at 40110,60486 h50 r270
  text "1" at 42935,60412 h47 r270
  text "2" at 42896,60364 h47 r270
  text "104" at 40059,60353 h50 r270
  text "49" at 40404,60314 h47 r270
  text "53" at 42854,60306 h47 r270
  text "47" at 40492,60283 h47 r270
  text "45" at 40592,60283 h47 r270
  text "43" at 40692,60283 h47 r270
  text "41" at 40792,60283 h47 r270
  text "39" at 40892,60283 h47 r270
  text "37" at 40992,60283 h47 r270
  text "35" at 41092,60283 h47 r270
  text "33" at 41192,60283 h47 r270
  text "31" at 41292,60283 h47 r270
  text "29" at 41392,60283 h47 r270
  text "27" at 41492,60283 h47 r270
  text "25" at 41592,60283 h47 r270
  text "23" at 41692,60283 h47 r270
  text "21" at 41792,60283 h47 r270
  text "19" at 41892,60283 h47 r270
  text "17" at 41992,60283 h47 r270
  text "15" at 42092,60283 h47 r270
  text "13" at 42192,60283 h47 r270
  text "11" at 42292,60283 h47 r270
  text "9" at 42392,60283 h47 r270
  text "7" at 42492,60283 h47 r270
  text "5" at 42592,60283 h47 r270
  text "3" at 42692,60283 h47 r270
  text "54" at 42785,60243 h47 r270
  text "EPS" at 41501,60043 h90
  text "1" at 40162,59615 h47
  text "2" at 40210,59576 h47
  text "53" at 40268,59534 h47
  text "54" at 40331,59465 h47
  text "3" at 40291,59372 h47
  text "5" at 40291,59272 h47
  text "7" at 40291,59172 h47
  text "9" at 40291,59072 h47
  text "11" at 40291,58972 h47
  text "13" at 40291,58872 h47
  text "15" at 40291,58772 h47
  text "17" at 40291,58672 h47
  text "19" at 40291,58572 h47
  text "21" at 40291,58472 h47
  text "23" at 40291,58372 h47
  text "25" at 40291,58272 h47
  text "FlatSat PCB Halve 1 rev. 1 / 2016-12-11 MOVE-II / WARR LRT Jonis Kiesbye / Redmine Wiki:  /FlatSat" at 43350,58200 h60 r90
  text "27" at 40291,58172 h47
  text "29" at 40291,58072 h47
  text "31" at 40291,57972 h47
  text "Reserve" at 40524,57961 h90 r90
  text "33" at 40291,57872 h47
  text "35" at 40291,57772 h47
  text "37" at 40291,57672 h47
  text "39" at 40291,57572 h47
  text "41" at 40291,57472 h47
  text "43" at 40291,57372 h47
  text "104" at 42709,57356 h50
  text "103" at 42846,57317 h50
  text "52" at 42988,57287 h50
  text "45" at 40291,57272 h47
  text "51" at 43090,57243 h50
  text "47" at 40291,57172 h47
  text "49" at 40260,57084 h47
  text "49" at 42704,57082 h47
  text "47" at 42701,56995 h47
  text "45" at 42701,56895 h47
  text "51" at 39910,56882 h50
  text "52" at 39990,56835 h50
  text "43" at 42701,56795 h47
  text "103" at 40088,56790 h50
  text "104" at 40221,56739 h50
  text "41" at 42701,56695 h47
  text "39" at 42701,56595 h47
  text "37" at 42701,56495 h47
  text "35" at 42701,56395 h47
  text "33" at 42701,56295 h47
  text "Toppanel" at 42468,56206 h90 r270
  text "31" at 42701,56195 h47
  text "29" at 42701,56095 h47
  text "27" at 42701,55995 h47
  text "25" at 42701,55895 h47
  text "23" at 42701,55795 h47
  text "21" at 42701,55695 h47
  text "19" at 42701,55595 h47
  text "17" at 42701,55495 h47
  text "15" at 42701,55395 h47
  text "13" at 42701,55295 h47
  text "11" at 42711,55195 h47
  text "9" at 42727,55095 h47
  text "7" at 42726,54995 h47
  text "5" at 42723,54895 h47
  text "1" at 40162,54890 h47
  text "2" at 40210,54851 h47
  text "53" at 40268,54809 h47
  text "3" at 42721,54798 h47
  text "54" at 40331,54740 h47
  text "54" at 42710,54655 h47
  text "3" at 40291,54647 h47
  text "53" at 42752,54589 h47
  text "2" at 42844,54556 h47
  text "5" at 40291,54547 h47
  text "1" at 42896,54527 h47
  text "7" at 40291,54447 h47
  text "9" at 40291,54347 h47
  text "11" at 40291,54247 h47
  text "13" at 40291,54147 h47
  text "15" at 40291,54047 h47
  text "17" at 40291,53947 h47
  text "19" at 40291,53847 h47
  text "21" at 40291,53747 h47
  text "23" at 40291,53647 h47
  text "25" at 40291,53547 h47
  text "27" at 40291,53447 h47
  text "29" at 40291,53347 h47
  text "31" at 40291,53247 h47
  text "UHF/VHF" at 40524,53236 h90 r90
  text "33" at 40291,53147 h47
  text "35" at 40291,53047 h47
  text "37" at 40291,52947 h47
  text "39" at 40291,52847 h47
  text "41" at 40291,52747 h47
  text "43" at 40291,52647 h47
  text "45" at 40291,52547 h47
  text "47" at 40291,52447 h47
  text "49" at 40260,52359 h47
  text "51" at 39862,52211 h50
  text "52" at 39941,52161 h50
  text "54" at 42827,52144 h47 r270
  text "103" at 40038,52123 h50
  text "49" at 40376,52107 h47 r270
  text "47" at 40463,52107 h47 r270
  text "45" at 40563,52107 h47 r270
  text "43" at 40663,52107 h47 r270
  text "41" at 40763,52107 h47 r270
  text "39" at 40863,52107 h47 r270
  text "37" at 40963,52107 h47 r270
  text "35" at 41063,52107 h47 r270
  text "33" at 41163,52107 h47 r270
  text "31" at 41263,52107 h47 r270
  text "29" at 41363,52107 h47 r270
  text "27" at 41463,52107 h47 r270
  text "25" at 41563,52107 h47 r270
  text "23" at 41663,52107 h47 r270
  text "21" at 41763,52107 h47 r270
  text "19" at 41863,52107 h47 r270
  text "17" at 41963,52107 h47 r270
  text "15" at 42063,52107 h47 r270
  text "13" at 42163,52107 h47 r270
  text "11" at 42262,52098 h47 r270
  text "104" at 40177,52094 h50
  text "9" at 42363,52076 h47 r270
  text "5" at 42563,52076 h47 r270
  text "3" at 42664,52075 h47 r270
  text "7" at 42463,52073 h47 r270
  text "53" at 42876,52063 h47 r270
  text "104" at 40032,52001 h50 r270
  text "2" at 42905,51967 h47 r270
  text "1" at 42934,51908 h47 r270
  text "103" at 40100,51893 h50 r270
  text "52" at 40165,51777 h50 r270
  text "51" at 40230,51688 h50 r270
Mechanical 1:
  the board outline again, w10

## Text inside footprints (layer, text, board x,y; h text height)
H1_A: Top Overlay "1" at 42957.03,61101 h60 r180
H1_B: Top Overlay "1" at 39473,59637.03 h60 r270
H1_C: Top Overlay "1" at 39474,54913.03 h60 r270
H1_H: Top Overlay "1" at 43597,54534.97 h60 r90
H1_J: Top Overlay "1" at 42957.03,51572 h60 r180